# Altium PCB LED_12T-V2.0拼.PcbDoc (part 1 of 3)
Units mm, origin at the board's own origin, x right, y up, seen from the top; angles counter-clockwise.
Board outline 152.4 x 101.6 mm, 2 copper layers (Top Layer, Bottom Layer); 148 components, 0 nets, 404 pads, 276 vias.
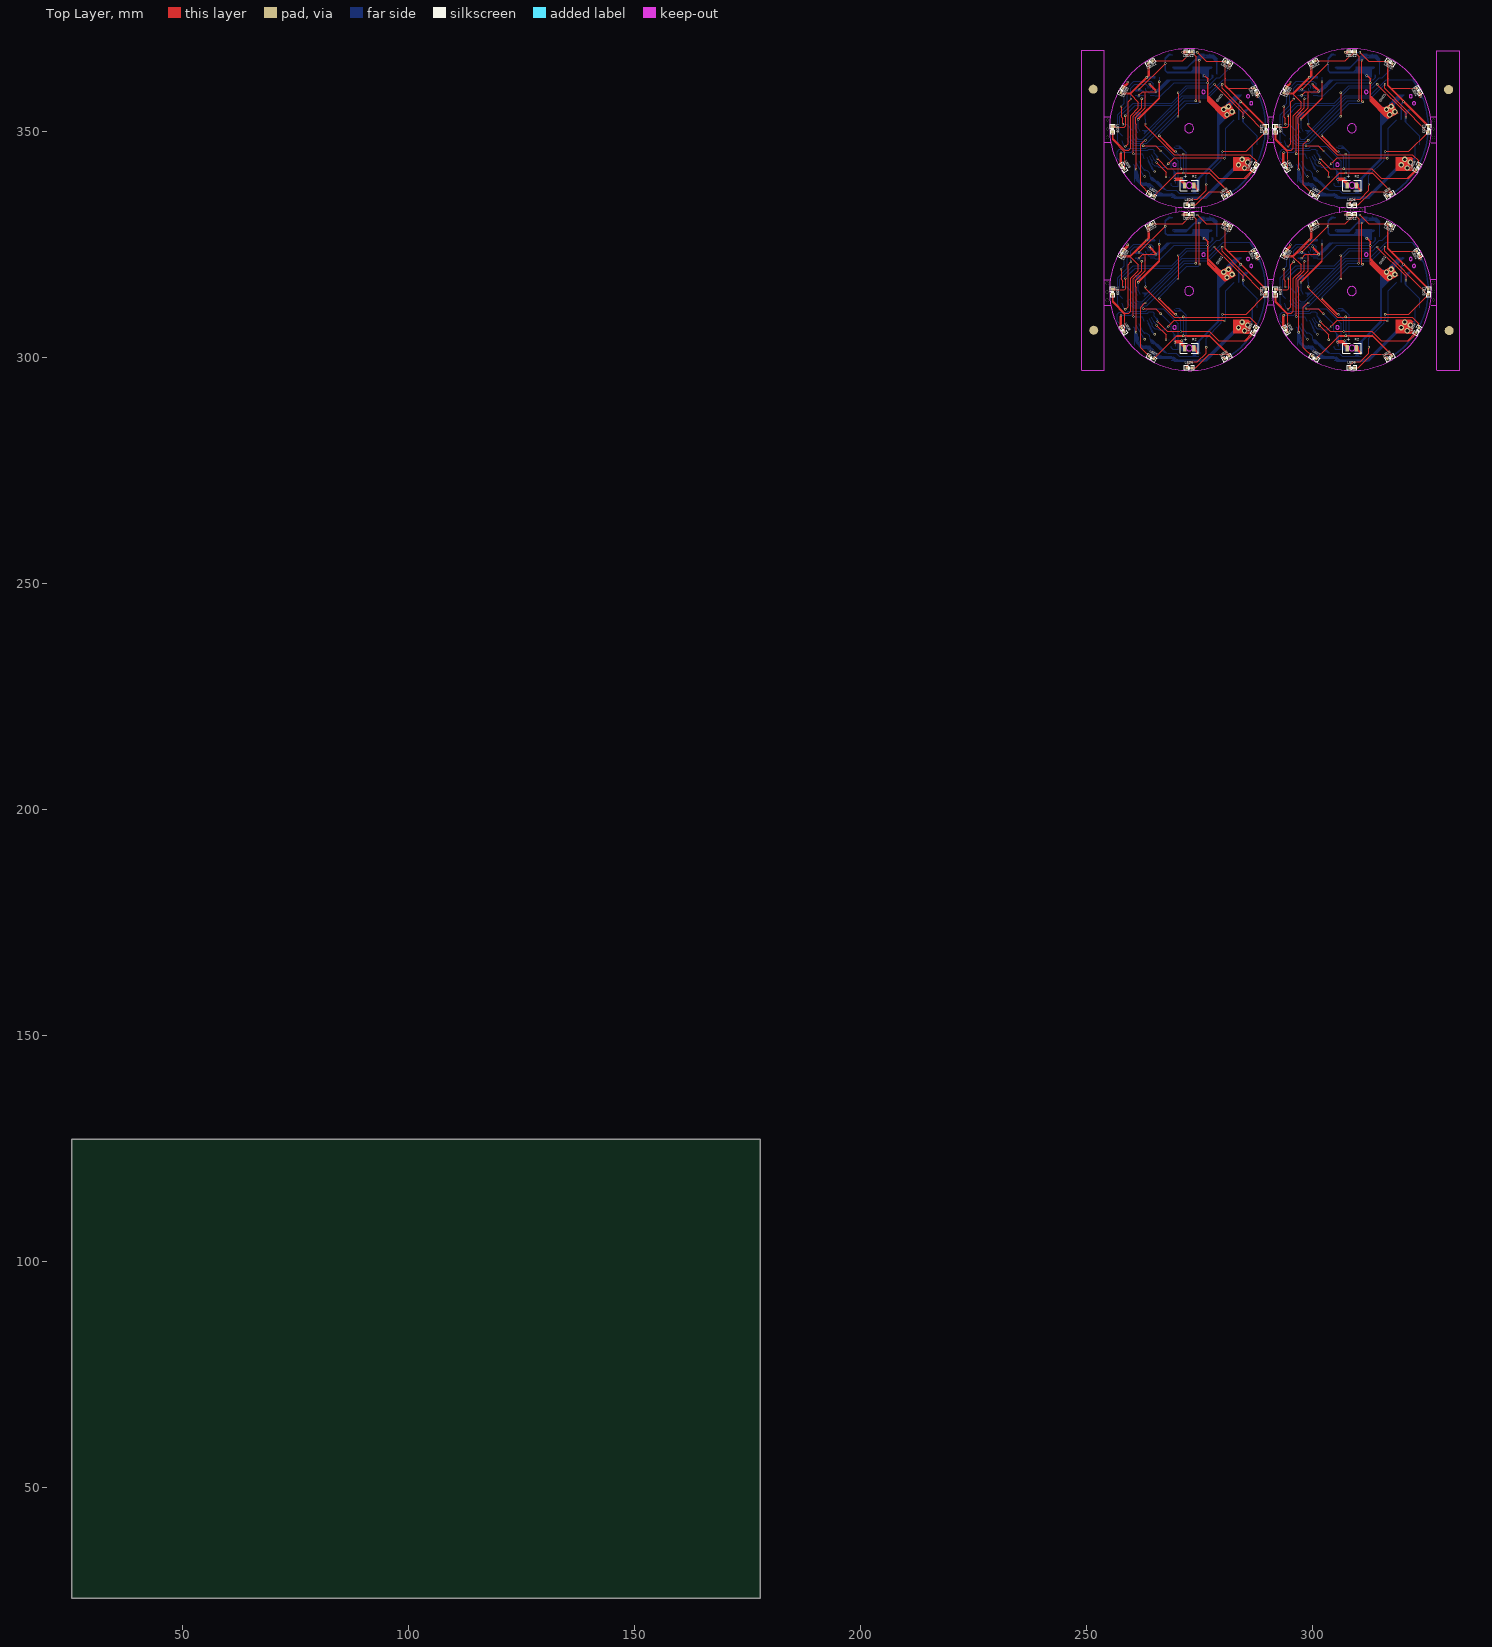
[diagram p0: Top Layer view]
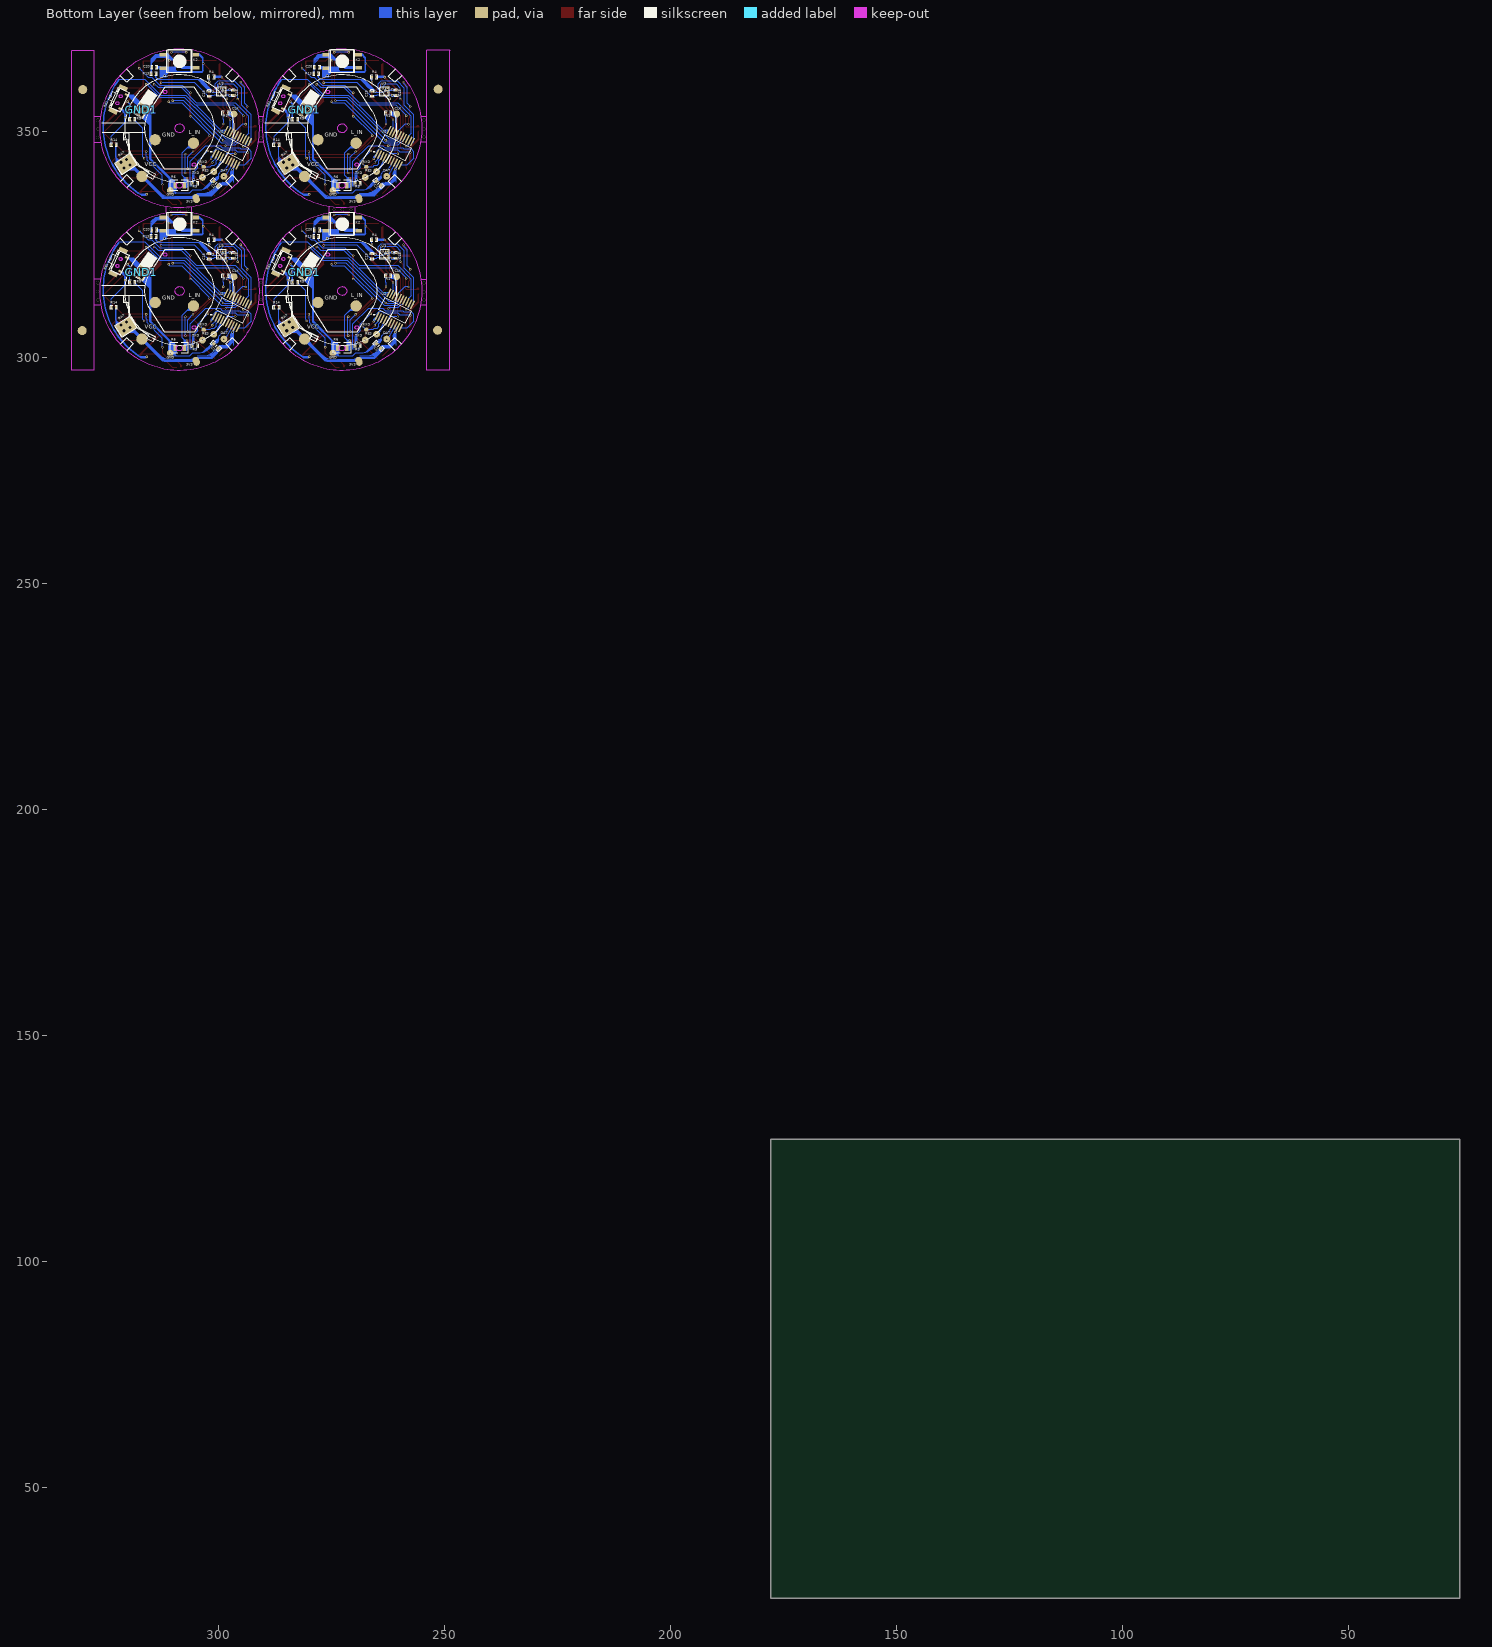
[diagram p1: Bottom Layer view, seen from below]

## Layer stack, top to bottom
Top Layer: signal copper 0.0356
Dielectric: dielectric 0.32, FR-4, Dk 4.8
Bottom Layer: signal copper 0.0356

## Board outline
25.4,25.4 177.8,25.4 177.8,127 25.4,127

## Design rules (kind name [scope] priority, off if disabled: settings)
Clearance [All] p1: gap=0.254
PolygonConnect [All] p1: connectstyle=Relief reliefconductorwidth=0.254 reliefentries=4 polygonreliefangle="90 Angle"
RoutingVias [All] p1: holewidth=0.711 width=1.27 viastyle="Through Hole" minholewidth=0.711 minwidth=1.27 maxholewidth=0.711 maxwidth=1.27
SilkscreenOverComponentPads [All] p1: minsilkscreentomaskgap=0.254
SolderMaskExpansion [All] p1: expansion=0.102
Width [All] p1: maxlimit=0.254 minlimit=0.254 preferedwidth=0.254
27 further rules are at their usual default settings.

## Components (designator, comment, footprint, x,y, rotation, side; value= is the part's Value field where it differs from the comment)
3V3 "测试点" 测试点#1 269.001,335.068 r315 bottom
3V3 "测试点" 测试点#1 305.001,335.068 r315 bottom
3V3 "测试点" 测试点#1 269.001,299.068 r315 bottom
3V3 "测试点" 测试点#1 305.001,299.068 r315 bottom
BAT "+" CR2450_Z 284.45,343.144 r237.5 bottom
BAT "+" CR2450_Z 320.45,343.144 r237.5 bottom
BAT "+" CR2450_Z 284.45,307.144 r237.5 bottom
BAT "+" CR2450_Z 320.45,307.144 r237.5 bottom
C1 "104" 0603P 264.6,338.491 r225 bottom
C1 "104" 0603P 300.6,338.491 r225 bottom
C1 "104" 0603P 264.6,302.491 r225 bottom
C1 "104" 0603P 300.6,302.491 r225 bottom
C18 "104" 0402_C 260.711,358.51 r90 bottom
C18 "104" 0402_C 296.711,358.51 r90 bottom
C18 "104" 0402_C 260.711,322.51 r90 bottom
C18 "104" 0402_C 296.711,322.51 r90 bottom
C19 "104" 0402_C 266.072,358.303 r270 bottom
C19 "104" 0402_C 302.072,358.303 r270 bottom
C19 "104" 0402_C 266.072,322.303 r270 bottom
C19 "104" 0402_C 302.072,322.303 r270 bottom
C20 "104" 0402_R 278.312,364.103 r0 bottom (schematic designator R13)
C20 "104" 0402_R 314.312,364.103 r0 bottom (schematic designator R13)
C20 "104" 0402_R 278.312,328.103 r0 bottom (schematic designator R13)
C20 "104" 0402_R 314.312,328.103 r0 bottom (schematic designator R13)
CLK "测试点" 测试点#2 260.543,353.823 r180 bottom
CLK "测试点" 测试点#2 296.543,353.823 r180 bottom
CLK "测试点" 测试点#2 260.543,317.823 r180 bottom
CLK "测试点" 测试点#2 296.543,317.823 r180 bottom
DAT "测试点" 测试点#2 262.772,340.033 r180 bottom
DAT "测试点" 测试点#2 298.772,340.033 r180 bottom
DAT "测试点" 测试点#2 262.772,304.033 r180 bottom
DAT "测试点" 测试点#2 298.772,304.033 r180 bottom
GND "GND" 测试点#2 274.658,336.903 r180 bottom
GND "GND" 测试点#2 310.658,336.903 r180 bottom
GND "GND" 测试点#2 274.658,300.903 r180 bottom
GND "GND" 测试点#2 310.658,300.903 r180 bottom
GND1 "测试点" 测试点#3 281.115,354.809 r55 top
GND1 "测试点" 测试点#3 317.115,354.809 r55 top
GND1 "测试点" 测试点#3 281.115,318.809 r55 top
GND1 "测试点" 测试点#3 317.115,318.809 r55 top
K2 "SW-02" 四向滚珠开关 272.667,365.461 r0 bottom
K2 "SW-02" 四向滚珠开关 308.667,365.461 r0 bottom
K2 "SW-02" 四向滚珠开关 272.667,329.461 r0 bottom
K2 "SW-02" 四向滚珠开关 308.667,329.461 r0 bottom
LED1 "LED" 0402_LED 281.168,365.228 r330 top
LED1 "LED" 0402_LED 317.168,365.228 r330 top
LED1 "LED" 0402_LED 281.168,329.228 r330 top
LED1 "LED" 0402_LED 317.168,329.228 r330 top
LED2 "LED" 0402_LED 287.328,359.012 r300 top
LED2 "LED" 0402_LED 323.328,359.012 r300 top
LED2 "LED" 0402_LED 287.328,323.012 r300 top
LED2 "LED" 0402_LED 323.328,323.012 r300 top
LED3 "LED" 0402_LED 289.572,350.478 r270 top
LED3 "LED" 0402_LED 325.572,350.478 r270 top
LED3 "LED" 0402_LED 289.572,314.478 r270 top
LED3 "LED" 0402_LED 325.572,314.478 r270 top
LED4 "LED" 0402_LED 287.155,342.003 r240 top
LED4 "LED" 0402_LED 323.155,342.003 r240 top
LED4 "LED" 0402_LED 287.155,306.003 r240 top
LED4 "LED" 0402_LED 323.155,306.003 r240 top
LED5 "LED" 0402_LED 280.98,335.935 r210 top
LED5 "LED" 0402_LED 316.98,335.935 r210 top
LED5 "LED" 0402_LED 280.98,299.935 r210 top
LED5 "LED" 0402_LED 316.98,299.935 r210 top
LED6 "LED" 0402_LED 272.691,333.726 r180 top
LED6 "LED" 0402_LED 308.691,333.726 r180 top
LED6 "LED" 0402_LED 272.691,297.726 r180 top
LED6 "LED" 0402_LED 308.691,297.726 r180 top
LED7 "LED" 0402_LED 264.311,335.939 r150 top
LED7 "LED" 0402_LED 300.311,335.939 r150 top
LED7 "LED" 0402_LED 264.311,299.939 r150 top
LED7 "LED" 0402_LED 300.311,299.939 r150 top
LED8 "LED" 0402_LED 258.063,342.069 r120 top
LED8 "LED" 0402_LED 294.063,342.069 r120 top
LED8 "LED" 0402_LED 258.063,306.069 r120 top
LED8 "LED" 0402_LED 294.063,306.069 r120 top
LED9 "LED" 0402_LED 255.716,350.524 r90 top
LED9 "LED" 0402_LED 291.716,350.524 r90 top
LED9 "LED" 0402_LED 255.716,314.524 r90 top
LED9 "LED" 0402_LED 291.716,314.524 r90 top
LED10 "LED" 0402_LED 257.87,359.029 r60 top
LED10 "LED" 0402_LED 293.87,359.029 r60 top
LED10 "LED" 0402_LED 257.87,323.029 r60 top
LED10 "LED" 0402_LED 293.87,323.029 r60 top
LED11 "LED" 0402_LED 264.112,365.271 r30 top
LED11 "LED" 0402_LED 300.112,365.271 r30 top
LED11 "LED" 0402_LED 264.112,329.271 r30 top
LED11 "LED" 0402_LED 300.112,329.271 r30 top
LED12 "LED" 0402_LED 272.71,367.545 r0 top (schematic designator LED11)
LED12 "LED" 0402_LED 308.71,367.545 r0 top (schematic designator LED11)
LED12 "LED" 0402_LED 272.71,331.545 r0 top (schematic designator LED11)
LED12 "LED" 0402_LED 308.71,331.545 r0 top (schematic designator LED11)
R1 "1K" 0402_R 262.42,353.981 r180 bottom
R1 "1K" 0402_R 298.42,353.981 r180 bottom
R1 "1K" 0402_R 262.42,317.981 r180 bottom
R1 "1K" 0402_R 298.42,317.981 r180 bottom
R2 "1K" 0805_R 271.736,338.007 r0 top
R2 "1K" 0805_R 307.736,338.007 r0 top
R2 "1K" 0805_R 271.736,302.007 r0 top
R2 "1K" 0805_R 307.736,302.007 r0 top
R3 "100K" 0402_R 269.299,338.477 r0 bottom
R3 "100K" 0402_R 305.299,338.477 r0 bottom
R3 "100K" 0402_R 269.299,302.477 r0 bottom
R3 "100K" 0402_R 305.299,302.477 r0 bottom
R4 "1K" 0402_R 265.651,361.97 r0 bottom
R4 "1K" 0402_R 301.651,361.97 r0 bottom
R4 "1K" 0402_R 265.651,325.97 r0 bottom
R4 "1K" 0402_R 301.651,325.97 r0 bottom
R5 "1K" 0402_R 283.052,352.569 r180 bottom
R5 "1K" 0402_R 319.052,352.569 r180 bottom
R5 "1K" 0402_R 283.052,316.569 r180 bottom
R5 "1K" 0402_R 319.052,316.569 r180 bottom
R6 "1K" 0805_R 271.716,338.013 r0 bottom (schematic designator R2)
R6 "1K" 0805_R 307.716,338.013 r0 bottom (schematic designator R2)
R6 "1K" 0805_R 271.716,302.013 r0 bottom (schematic designator R2)
R6 "1K" 0805_R 307.716,302.013 r0 bottom (schematic designator R2)
R13 "1M" 0402_R 278.44,362.682 r0 bottom
R13 "1M" 0402_R 314.44,362.682 r0 bottom
R13 "1M" 0402_R 278.44,326.682 r0 bottom
R13 "1M" 0402_R 314.44,326.682 r0 bottom
R14 "1M" 0402_R 287.15,346.977 r180 bottom
R14 "1M" 0402_R 323.15,346.977 r180 bottom
R14 "1M" 0402_R 287.15,310.977 r180 bottom
R14 "1M" 0402_R 323.15,310.977 r180 bottom
RE1 "KEY_M" "轻触开关 2x4" 285.93,356.92 r115 bottom
RE1 "KEY_M" "轻触开关 2x4" 321.93,356.92 r115 bottom
RE1 "KEY_M" "轻触开关 2x4" 285.93,320.92 r115 bottom
RE1 "KEY_M" "轻触开关 2x4" 321.93,320.92 r115 bottom
RES "测试点" 测试点#2 265.011,341.089 r180 bottom (schematic designator RESET)
RES "测试点" 测试点#2 301.011,341.089 r180 bottom (schematic designator RESET)
RES "测试点" 测试点#2 265.011,305.089 r180 bottom (schematic designator RESET)
RES "测试点" 测试点#2 301.011,305.089 r180 bottom (schematic designator RESET)
RXD "测试点" 测试点#4 267.26,342.077 r180 bottom
RXD "测试点" 测试点#4 303.26,342.077 r180 bottom
RXD "测试点" 测试点#4 267.26,306.077 r180 bottom
RXD "测试点" 测试点#4 303.26,306.077 r180 bottom
TXD "测试点" 测试点#2 267.529,339.797 r180 bottom
TXD "测试点" 测试点#2 303.529,339.797 r180 bottom
TXD "测试点" 测试点#2 267.529,303.797 r180 bottom
TXD "测试点" 测试点#2 303.529,303.797 r180 bottom
U2 "N76E003" STSOP20 260.666,346.559 r297 bottom
U2 "N76E003" STSOP20 296.666,346.559 r297 bottom
U2 "N76E003" STSOP20 260.666,310.559 r297 bottom
U2 "N76E003" STSOP20 296.666,310.559 r297 bottom
U3 "SC7A21" LGA-12-2*2*1 263.324,358.796 r180 bottom
U3 "SC7A21" LGA-12-2*2*1 299.324,358.796 r180 bottom
U3 "SC7A21" LGA-12-2*2*1 263.324,322.796 r180 bottom
U3 "SC7A21" LGA-12-2*2*1 299.324,322.796 r180 bottom

## Footprints (in the part's own frame and the unit in brackets; to place one, negate y for a bottom-side part, rotate by r counter-clockwise, add the part's x,y. Pads: shape width x height; smd on the part's side, far side on the other; paste and mask are expansions set on the pad)
0402_C [mm]
  rect 0.4x0.6 smd: 1(-0.518,-0.008) 2(0.485,-0.01)
  silkscreen extent -0.84,-0.41 0.8,0.39
0402_LED [mm]
  rect 0.6x0.6 smd: 1(-0.568,0.013) 2(0.532,0.013)
  silkscreen extent -1.1,-0.51 1.07,0.54
0402_R [mm]
  rect 0.4x0.6 smd: 1(-0.558,0.013) 2(0.435,0.013)
  silkscreen extent -0.86,-0.4 0.75,0.42
0603P [mil]
  rect 30x30 smd: 1(-27,0) 2(27.5,-0.06)
  silkscreen extent -50,-20 50,20
0805_R [mm]
  rect 0.8x1.35 smd: 1(-0.076,0) 2(1.9,0)
  silkscreen extent -1.05,-1.15 2.95,1.15
CR2450_Z [mm]
  rect 3x4 smd paste+0: 1(0.288,-0.213)
  silkscreen extent -5.69,-2.27 6.31,4.04
LGA-12-2*2*1 [mm]
  rect 0.32x0.32 smd: 1(-0.757,0.702) 2(-0.76,0.19) 3(-0.758,-0.308) 4(-0.751,-0.826) 5(-0.253,-0.826) 6(0.25,-0.82) 7(0.748,-0.826) 8(0.75,-0.314) 9(0.748,0.19) 10(0.748,0.699) 11(0.25,0.696) 12(-0.251,0.699)
  silkscreen extent -1.04,-1.07 1.04,0.97
STSOP20 [mm]
  oval 2x0.35 smd: 1(3.241,-3.17) 2(3.241,-2.52) 3(3.241,-1.87) 4(3.241,-1.22) 5(3.241,-0.57) 6(3.241,0.08) 7(3.241,0.73) 8(3.241,1.38) 9(3.241,2.03) 10(3.241,2.68) 11(-2.559,2.68) 12(-2.559,2.03) 13(-2.559,1.38) 14(-2.559,0.73) 15(-2.559,0.08) 16(-2.559,-0.57) 17(-2.559,-1.22) 18(-2.559,-1.87) 19(-2.559,-2.52) 20(-2.559,-3.17)
  silkscreen extent -1.16,-4.02 3.37,3.06
四向滚珠开关 [mm]
  rect 1.5x0.8 smd: 1(-3.629,-1.47) 2(3.651,-1.454) 3(3.635,1.493) 4(-3.645,1.435)
  silkscreen extent -2.81,-2.52 2.81,2.49
测试点#1 [mm]
  oval 1.5x2 smd rot 150: 1(-0.051,0)
测试点#2 [mm]
  round 1.5 smd: 1(-0.051,0)
测试点#3 [mm]
  rect 2.5x3 smd far side rot 157: 1(-0.051,0)
测试点#4 [mm]
  round 1 smd: 1(-0.051,0)
"轻触开关 2x4" [mm]
  rect 0.5x1 smd: 1(-1.66,-1.025) 2(1.723,-1.025)
  Keep-Out Layer circle w0.1: c0.851,0.124 r0.35
  Keep-Out Layer circle w0.1: c-0.849,0.119 r0.35
  silkscreen extent -2.34,-1.22 2.37,2.25

## Part data
C18 C18 C18 C18 C19 C19 C19 C19: library part Cap, "Capac"

## Free pads (board coordinates)
  round 2.5 smd far side: 1(269.571,311.369) 1(269.571,347.369) 1(278.035,312.127) 1(278.035,348.127) 1(280.978,304.019) 1(280.978,340.019) 1(305.571,311.369) 1(305.571,347.369) 1(314.035,312.127) 1(314.035,348.127) 1(316.978,304.019) 1(316.978,340.019)
  rect 1x2 smd far side rot 115: 1(285.137,323.63) 1(285.137,359.63) 1(287.357,318.498) 1(287.357,354.498) 1(321.137,323.63) 1(321.137,359.63) 1(323.357,318.498) 1(323.357,354.498)
  round 2 all layers, no hole: 2(251.433,359.306) 2(330.063,359.225) 3(251.554,305.979) 3(330.184,305.898)

## Via types
v1: diameter 0.5, hole 0.3, Top Layer to Bottom Layer, 220 vias
v2: diameter 1.2, hole 0.7, Top Layer to Bottom Layer, 32 vias
v3: diameter 0.7, hole 0.7, Top Layer to Bottom Layer, 24 vias

## Nets (pads, with @x,y where several pads share a name; then routed paths per layer and width w, separated by ;. In a path a pad name is that pad's centre, name@x,y a point inside that pad or via, vN(x,y) a via of type N, cw(c..) or ccw(c..) an arc to the next point about the centre after c; other vN are vias at no path point)
pads on no net: 3V3.1 BAT.1 C1.1 C1.2 C18.1 C18.2 C19.1 C19.2 C20.1 C20.2 CLK.1 DAT.1 GND1.1 GND.1 K2.1 K2.2 K2.3 K2.4 LED1.1 LED1.2 LED2.1 LED2.2 LED3.1 LED3.2 LED4.1 LED4.2 LED5.1 LED5.2 LED6.1 LED6.2 LED7.1 LED7.2 LED8.1 LED8.2 LED9.1 LED9.2 LED10.1 LED10.2 LED11.1 LED11.2 LED12.1 LED12.2 R1.1 R1.2 R2.1 R2.2 R3.1 R3.2 R4.1 R4.2 R5.1 R5.2 R6.1 R6.2 R13.1 R13.2 R14.1 R14.2 RE1.1 RE1.2 RES.1 RXD.1 TXD.1 U2.1 U2.2 U2.3 U2.4 U2.5 U2.6 U2.7 U2.8 U2.9 U2.10 U2.11 U2.12 U2.13 U2.14 U2.15 U2.16 U2.17 U2.18 U2.19 U2.20 U3.1 U3.2 U3.3 U3.4 U3.5 U3.6 U3.7 U3.8 U3.9 U3.10 U3.11 U3.12
copper on no net: | length 5319.1
  Top Layer w0.2: v1@265.395,307.127 265.433,307.127 267.589,304.97 v1@267.589,303.798 ; v1@265.395,343.127 265.433,343.127 267.589,340.97 v1@267.589,339.798 ; v1@301.395,307.127 301.433,307.127 303.589,304.97 v1@303.589,303.798 ; v1@301.395,343.127 301.433,343.127 303.589,340.97 v1@303.589,339.798
  Top Layer w0.25: 255.689,314.136 255.689,314.109 255.885,313.913 255.885,312.286 256.244,311.926 ; 255.689,350.136 255.689,350.109 255.885,349.913 255.885,348.286 256.244,347.926 ; 255.703,313.956 255.703,312.5 ; 255.703,349.956 255.703,348.5 ; 255.704,314.97 255.769,314.905 258.345,314.905 258.649,315.21 258.649,315.372 ; 255.704,350.97 255.769,350.905 258.345,350.905 258.649,351.21 258.649,351.372 ; 255.713,315.24 255.735,315.218 256.07,315.218 256.307,314.981 ; 255.713,351.24 255.735,351.218 256.07,351.218 256.307,350.981 ; 255.779,315.002 255.769,315.148 256.019,315.263 ; 255.779,351.002 255.769,351.148 256.019,351.263 ; 255.859,315.056 255.875,315.04 256.134,315.04 ; 255.859,351.056 255.875,351.04 256.134,351.04 ; 257.558,306.879 257.558,309.24 v1@257.571,309.253 ; 257.558,342.879 257.558,345.24 v1@257.571,345.253 ; v1(257.572,309.31) 257.387,309.125 257.387,306.922 257.786,306.523 ; v1(257.572,345.31) 257.387,345.125 257.387,342.922 257.786,342.523 ; 257.575,322.543 257.601,322.569 258.817,322.569 ; 257.575,358.543 257.601,358.569 258.817,358.569 ; v1(257.588,319.501) 257.727,319.363 257.727,317.102 257.969,316.859 v1@257.969,315.546 ; v1(257.588,355.501) 257.727,355.363 257.727,353.102 257.969,352.859 v1@257.969,351.546 ; 257.642,322.288 259.598,322.288 261.417,320.469 261.417,319.175 259.706,317.464 259.706,310.225 259.274,309.793 258.41,309.793 255.703,312.5 ; 257.642,358.288 259.598,358.288 261.417,356.469 261.417,355.175 259.706,353.464 259.706,346.225 259.274,345.793 258.41,345.793 255.703,348.5 ; 257.662,322.436 257.797,322.571 259.733,322.571 260.488,323.325 ; 257.662,358.436 257.797,358.571 259.733,358.571 260.488,359.325 ; v1@257.709,309.258 257.709,306.785 257.919,306.575 257.919,306.562 ; v1@257.709,345.258 257.709,342.785 257.919,342.575 257.919,342.562 ; 257.805,322.419 259.899,322.419 260.78,323.3 ; 257.805,358.419 259.899,358.419 260.78,359.3 ; 258.124,323.788 258.124,323.798 v1@259.01,324.684 ; 258.124,359.788 258.124,359.798 v1@259.01,360.684 ; 258.207,323.506 258.228,323.506 259.187,324.465 v1@259.187,324.871 ; 258.207,359.506 258.228,359.506 259.187,360.465 v1@259.187,360.871 ; 258.218,323.756 258.28,323.756 259.072,324.548 ; 258.218,359.756 258.28,359.756 259.072,360.548 ; 258.336,305.57 258.336,305.907 258.436,305.907 258.436,309.412 255.703,312.145 255.703,312.5 ; 258.336,341.57 258.336,341.907 258.436,341.907 258.436,345.412 255.703,348.145 255.703,348.5 ; 258.343,323.579 258.343,324.142 v1(259.093,324.892) ; 258.343,359.579 258.343,360.142 v1(259.093,360.892) ; v1(258.508,317.447) 258.642,317.312 258.642,315.242 ; v1(258.508,353.447) 258.642,353.312 258.642,351.242 ; v1(258.537,310.606) 259.164,311.232 259.164,320.503 v1(259.782,321.121) ; v1(258.537,346.606) 259.164,347.232 259.164,356.503 v1(259.782,357.121) ; v1(260.341,309.006) 260.341,317.362 262.159,319.181 v1(262.159,321.223) ; v1(260.341,345.006) 260.341,353.362 262.159,355.181 v1(262.159,357.223) ; 260.387,323.222 263.613,326.449 263.613,328.998 ; 260.387,359.222 263.613,362.449 263.613,364.998 ; 260.637,323.137 263.895,326.395 263.895,328.811 ; 260.637,359.137 263.895,362.395 263.895,364.811 ; v1(260.925,305.526) 260.925,315.529 260.833,315.622 260.833,317.056 262.966,319.19 262.966,322.683 ; v1(260.925,341.526) 260.925,351.529 260.833,351.622 260.833,353.056 262.966,355.19 262.966,358.683 ; v1@261.34,316.716 266.065,321.442 v1(266.065,324.983) ; v1@261.34,352.716 266.065,357.442 v1(266.065,360.983) ; v1@261.405,316.605 261.454,316.605 266.118,321.268 v1@266.118,324.959 ; v1@261.405,352.605 261.454,352.605 266.118,357.268 v1@266.118,360.959 ; v1(261.56,323.223) v1@267.324,328.988 ; v1(261.56,359.223) v1@267.324,364.988 ; v1@261.641,321.976 261.641,322.054 262.375,322.787 v1@265.35,322.787 ; v1@261.641,357.976 261.641,358.054 262.375,358.787 v1@265.35,358.787 ; v1(262.5,310.784) 265.218,310.784 v1(266.361,309.641) ; v1(262.5,346.784) 265.218,346.784 v1(266.361,345.641) ; v1@262.881,312.044 261.916,311.079 261.916,302.123 263.844,300.194 ; v1@262.881,348.044 261.916,347.079 261.916,338.123 263.844,336.194 ; v1(262.982,315.61) 262.982,315.238 265.174,313.046 265.175,313.046 269.394,308.828 286.046,308.828 287.451,307.423 287.451,306.488 ; v1(262.982,351.61) 262.982,351.238 265.174,349.046 265.175,349.046 269.394,344.828 286.046,344.828 287.451,343.423 287.451,342.488 ; 263.744,326.344 263.744,328.711 263.845,328.811 ; 263.744,362.344 263.744,364.711 263.845,364.811 ; v1@263.881,324.309 265.311,322.879 v1@265.311,322.807 ; v1@263.881,360.309 265.311,358.879 v1@265.311,358.807 ; v1@264.004,324.451 265.285,323.17 v1@265.285,322.853 ; v1@264.004,360.451 265.285,359.17 v1@265.285,358.853 ; 264.151,323.992 v1(265.322,322.821) ; 264.151,359.992 v1(265.322,358.821) ; 264.566,329.548 271.231,329.548 273.242,331.558 274.26,330.541 v1@274.26,320.711 ; 264.566,365.548 271.231,365.548 273.242,367.558 274.26,366.541 v1@274.26,356.711 ; 264.797,299.644 270.029,304.876 277.153,304.876 281.516,300.513 281.516,300.437 ; 264.797,335.644 270.029,340.876 277.153,340.876 281.516,336.513 281.516,336.437 ; v1(265.675,307.888) 265.675,307.868 267.828,305.715 277.058,305.715 279.156,303.617 285.257,303.617 286.852,305.212 ; v1(265.675,343.888) 265.675,343.868 267.828,341.715 277.058,341.715 279.156,339.617 285.257,339.617 286.852,341.212 ; v1@265.794,313.065 269.35,309.508 v1(269.683,309.508) ; v1@265.794,349.065 269.35,345.508 v1(269.683,345.508) ; v1@266.082,313 269.564,309.519 v1@269.678,309.519 ; v1@266.082,349 269.564,345.519 v1@269.678,345.519 ; v1(268.062,306.828) 269.401,308.167 v1@280.537,308.167 ; v1(268.062,342.828) 269.401,344.167 v1@280.537,344.167 ; v1@269.442,303.445 269.746,303.748 270.842,303.748 270.94,303.651 270.896,303.651 270.69,303.445 v1@269.529,303.445 ; v1@269.442,339.445 269.746,339.748 270.842,339.748 270.94,339.651 270.896,339.651 270.69,339.445 v1@269.529,339.445 ; v1(269.506,303.339) 270.861,303.339 271.467,302.733 ; v1(269.506,339.339) 270.861,339.339 271.467,338.733 ; v1@269.525,303.216 270.737,303.216 271.458,302.496 ; v1@269.525,339.216 270.737,339.216 271.458,338.496 ; v1@269.582,303.225 270.463,303.225 271.458,302.23 271.458,302.069 ; v1@269.582,339.225 270.463,339.225 271.458,338.23 271.458,338.069 ; 269.713,303.607 270.994,303.607 v1@271.016,303.586 ; 269.713,339.607 270.994,339.607 v1@271.016,339.586 ; 269.93,304.682 277.229,304.682 281.566,300.345 ; 269.93,340.682 277.229,340.682 281.566,336.345 ; v1@270.236,322.62 v1@270.238,317.261 ; v1@270.236,358.62 v1@270.238,353.261 ; v1@270.343,317.296 v1@270.343,322.62 ; v1@270.343,353.296 v1@270.343,358.62 ; v1@270.813,303.633 270.851,303.595 270.851,303.168 ; v1@270.813,339.633 270.851,339.595 270.851,339.168 ; v1(271.012,303.652) 271.05,303.614 271.05,303.064 ; v1(271.012,339.652) 271.05,339.614 271.05,339.064 ; v1@271.085,331.624 271.192,331.732 272.071,331.732 272.119,331.683 272.119,331.669 ; v1@271.085,367.624 271.192,367.732 272.071,367.732 272.119,367.683 272.119,367.669 ; v1@271.126,303.652 271.126,303.244 271.486,302.884 271.533,302.884 ; v1@271.126,339.652 271.126,339.244 271.486,338.884 271.533,338.884 ; v1@271.182,331.445 271.234,331.393 272.084,331.393 272.102,331.41 272.102,331.424 ; v1@271.182,367.445 271.234,367.393 272.084,367.393 272.102,367.41 272.102,367.424 ; v1(271.187,331.485) 271.26,331.558 272.142,331.558 ; v1(271.187,367.485) 271.26,367.558 272.142,367.558 ; 271.999,298.001 272.997,299 274.468,299 276.396,300.928 v1@276.396,302.245 ; 271.999,334.001 272.997,335 274.468,335 276.396,336.928 v1@276.396,338.245 ; 272.141,297.905 272.141,297.964 272.221,298.044 ; 272.141,333.905 272.141,333.964 272.221,334.044 ; 272.234,297.756 272.234,297.753 272.333,297.852 272.333,298.252 272.365,298.285 ; 272.234,333.756 272.234,333.753 272.333,333.852 272.333,334.252 272.365,334.285 ; 273.26,297.713 274.11,297.713 277.067,300.67 281.017,300.67 281.479,300.208 ; 273.26,333.713 274.11,333.713 277.067,336.67 281.017,336.67 281.479,336.208 ; 273.739,302.055 273.739,302.283 ; 273.739,338.055 273.739,338.283 ; 273.75,302.11 273.75,301.947 v1@274.727,300.97 ; 273.75,338.11 273.75,337.947 v1@274.727,336.97 ; 273.761,302.045 273.761,301.697 v1@274.608,300.851 ; 273.761,338.045 273.761,337.697 v1@274.608,336.851 ; v1(274.438,331.485) 276.399,329.524 280.683,329.524 280.683,325.135 ; v1(274.438,367.485) 276.399,365.524 280.683,365.524 280.683,361.135 ; v1@274.895,320.508 v1(274.895,329.707) ; v1@274.895,356.508 v1(274.895,365.707) ; v1(275.962,326.354) 276.724,325.592 276.724,320.6 279.979,317.345 v2@281.055,317.345 ; v1(275.962,362.354) 276.724,361.592 276.724,356.6 279.979,353.345 v2@281.055,353.345 ; v1@276.032,326.421 276.86,325.593 276.86,321.416 279.981,318.295 281.382,318.295 ; v1@276.032,362.421 276.86,361.593 276.86,357.416 279.981,354.295 281.382,354.295 ; 276.784,321.161 280.541,317.404 v2@280.86,317.404 ; 276.784,357.161 280.541,353.404 v2@280.86,353.404 ; v1@278.216,324.379 284.649,317.946 v1(284.649,317.032) ; v1@278.216,360.379 284.649,353.946 v1(284.649,353.032) ; 279.035,319.307 279.054,319.287 v2@281.188,319.287 ; 279.035,355.307 279.054,355.287 v2@281.188,355.287 ; 279.083,318.429 279.97,317.542 279.97,317.385 280.475,316.881 280.736,316.881 ; 279.083,354.429 279.97,353.542 279.97,353.385 280.475,352.881 280.736,352.881 ; v1(279.924,300.09) 280.094,300.09 280.526,299.658 ; v1(279.924,336.09) 280.094,336.09 280.526,335.658 ; v1@279.968,324.316 279.956,323.508 288.636,314.568 289.258,313.946 289.585,313.946 ; v1@279.968,360.316 279.956,359.508 288.636,350.568 289.258,349.946 289.585,349.946 ; v1@280.064,309.552 285.262,309.552 289.54,313.83 ; v1@280.064,345.552 285.262,345.552 289.54,349.83 ; 280.579,329.396 280.612,329.363 280.612,324.052 284.049,320.615 v1@284.049,320.513 ; 280.579,365.396 280.612,365.363 280.612,360.052 284.049,356.615 v1@284.049,356.513 ; 280.625,325.719 280.683,325.661 280.683,323.973 281.488,323.168 ; 280.625,361.719 280.683,361.661 280.683,359.973 281.488,359.168 ; 280.693,329.281 280.693,324.147 289.648,315.192 289.648,315.179 ; 280.693,365.281 280.693,360.147 289.648,351.192 289.648,351.179 ; v2(281.031,317.671) 281.031,319.127 v2(281.35,319.446) 282.168,318.628 v2(282.168,318.323) ; v2(281.031,353.671) 281.031,355.127 v2(281.35,355.446) 282.168,354.628 v2(282.168,354.323) ; 281.138,323.511 287.056,323.511 ; 281.138,359.511 287.056,359.511 ; v1@281.583,327.852 281.583,328.952 ; v1@281.583,363.852 281.583,364.952 ; v1(284.079,320.552) 289.585,315.046 ; v1(284.079,356.552) 289.585,351.046 ; v2@284.585,305.73 284.585,305.704 284.953,305.336 285.805,305.336 286.128,305.659 286.128,307.874 285.787,308.215 ; v2@284.585,341.73 284.585,341.704 284.953,341.336 285.805,341.336 286.128,341.659 286.128,343.874 285.787,344.215 ; 284.862,303.593 286.769,305.5 ; 284.862,339.593 286.769,341.5 ; 285.957,305.551 285.957,307.955 ; 285.957,341.551 285.957,343.955 ; 287.606,322.558 287.606,322.051 ; 287.606,358.558 287.606,358.051 ; v1@287.773,321.883 287.606,322.051 ; v1@287.773,357.883 287.606,358.051 ; 287.78,321.428 287.78,321.891 287.606,322.051 ; 287.78,357.428 287.78,357.891 287.606,358.051 ; 291.689,314.136 291.689,314.109 291.885,313.913 291.885,312.286 292.244,311.926 ; 291.689,350.136 291.689,350.109 291.885,349.913 291.885,348.286 292.244,347.926 ; 291.703,313.956 291.703,312.5 ; 291.703,349.956 291.703,348.5 ; 291.704,314.97 291.769,314.905 294.345,314.905 294.649,315.21 294.649,315.372 ; 291.704,350.97 291.769,350.905 294.345,350.905 294.649,351.21 294.649,351.372 ; 291.713,315.24 291.735,315.218 292.07,315.218 292.307,314.981 ; 291.713,351.24 291.735,351.218 292.07,351.218 292.307,350.981 ; 291.779,315.002 291.769,315.148 292.019,315.263 ; 291.779,351.002 291.769,351.148 292.019,351.263 ; 291.859,315.056 291.875,315.04 292.134,315.04 ; 291.859,351.056 291.875,351.04 292.134,351.04 ; 293.558,306.879 293.558,309.24 v1@293.571,309.253 ; 293.558,342.879 293.558,345.24 v1@293.571,345.253 ; v1(293.572,309.31) 293.387,309.125 293.387,306.922 293.786,306.523 ; v1(293.572,345.31) 293.387,345.125 293.387,342.922 293.786,342.523 ; 293.575,322.543 293.601,322.569 294.817,322.569 ; 293.575,358.543 293.601,358.569 294.817,358.569 ; v1(293.588,319.501) 293.727,319.363 293.727,317.102 293.969,316.859 v1@293.969,315.546 ; v1(293.588,355.501) 293.727,355.363 293.727,353.102 293.969,352.859 v1@293.969,351.546 ; 293.642,322.288 295.598,322.288 297.417,320.469 297.417,319.175 295.706,317.464 295.706,310.225 295.274,309.793 294.41,309.793 291.703,312.5 ; 293.642,358.288 295.598,358.288 297.417,356.469 297.417,355.175 295.706,353.464 295.706,346.225 295.274,345.793 294.41,345.793 291.703,348.5 ; 293.662,322.436 293.797,322.571 295.733,322.571 296.488,323.325 ; 293.662,358.436 293.797,358.571 295.733,358.571 296.488,359.325 ; v1@293.709,309.258 293.709,306.785 293.919,306.575 293.919,306.562 ; v1@293.709,345.258 293.709,342.785 293.919,342.575 293.919,342.562 ; 293.805,322.419 295.899,322.419 296.78,323.3 ; 293.805,358.419 295.899,358.419 296.78,359.3 ; 294.124,323.788 294.124,323.798 v1@295.01,324.684 ; 294.124,359.788 294.124,359.798 v1@295.01,360.684 ; 294.207,323.506 294.228,323.506 295.187,324.465 v1@295.187,324.871 ; 294.207,359.506 294.228,359.506 295.187,360.465 v1@295.187,360.871 ; 294.218,323.756 294.28,323.756 295.072,324.548 ; 294.218,359.756 294.28,359.756 295.072,360.548 ; 294.336,305.57 294.336,305.907 294.436,305.907 294.436,309.412 291.703,312.145 291.703,312.5 ; 294.336,341.57 294.336,341.907 294.436,341.907 294.436,345.412 291.703,348.145 291.703,348.5 ; 294.343,323.579 294.343,324.142 v1(295.093,324.892) ; 294.343,359.579 294.343,360.142 v1(295.093,360.892) ; v1(294.508,317.447) 294.642,317.312 294.642,315.242 ; v1(294.508,353.447) 294.642,353.312 294.642,351.242 ; v1(294.537,310.606) 295.164,311.232 295.164,320.503 v1(295.782,321.121) ; v1(294.537,346.606) 295.164,347.232 295.164,356.503 v1(295.782,357.121) ; v1(296.341,309.006) 296.341,317.362 298.159,319.181 v1(298.159,321.223) ; v1(296.341,345.006) 296.341,353.362 298.159,355.181 v1(298.159,357.223) ; 296.387,323.222 299.613,326.449 299.613,328.998 ; 296.387,359.222 299.613,362.449 299.613,364.998 ; 296.637,323.137 299.895,326.395 299.895,328.811 ; 296.637,359.137 299.895,362.395 299.895,364.811 ; v1(296.925,305.526) 296.925,315.529 296.833,315.622 296.833,317.056 298.966,319.19 298.966,322.683 ; v1(296.925,341.526) 296.925,351.529 296.833,351.622 296.833,353.056 298.966,355.19 298.966,358.683 ; v1@297.34,316.716 302.065,321.442 v1(302.065,324.983) ; v1@297.34,352.716 302.065,357.442 v1(302.065,360.983) ; v1@297.405,316.605 297.454,316.605 302.118,321.268 v1@302.118,324.959 ; v1@297.405,352.605 297.454,352.605 302.118,357.268 v1@302.118,360.959 ; v1(297.56,323.223) v1@303.324,328.988 ; v1(297.56,359.223) v1@303.324,364.988 ; v1@297.641,321.976 297.641,322.054 298.375,322.787 v1@301.35,322.787 ; v1@297.641,357.976 297.641,358.054 298.375,358.787 v1@301.35,358.787 ; v1(298.5,310.784) 301.218,310.784 v1(302.361,309.641) ; v1(298.5,346.784) 301.218,346.784 v1(302.361,345.641) ; v1@298.881,312.044 297.916,311.079 297.916,302.123 299.844,300.194 ; v1@298.881,348.044 297.916,347.079 297.916,338.123 299.844,336.194 ; v1(298.982,315.61) 298.982,315.238 301.174,313.046 301.175,313.046 305.394,308.828 322.046,308.828 323.451,307.423 323.451,306.488 ; v1(298.982,351.61) 298.982,351.238 301.174,349.046 301.175,349.046 305.394,344.828 322.046,344.828 323.451,343.423 323.451,342.488 ; 299.744,326.344 299.744,328.711 299.845,328.811 ; 299.744,362.344 299.744,364.711 299.845,364.811 ; v1@299.881,324.309 301.311,322.879 v1@301.311,322.807 ; v1@299.881,360.309 301.311,358.879 v1@301.311,358.807 ; v1@300.004,324.451 301.285,323.17 v1@301.285,322.853 ; v1@300.004,360.451 301.285,359.17 v1@301.285,358.853 ; 300.151,323.992 v1(301.322,322.821) ; 300.151,359.992 v1(301.322,358.821) ; 300.566,329.548 307.231,329.548 309.242,331.558 310.26,330.541 v1@310.26,320.711 ; 300.566,365.548 307.231,365.548 309.242,367.558 310.26,366.541 v1@310.26,356.711 ; 300.797,299.644 306.029,304.876 313.153,304.876 317.516,300.513 317.516,300.437 ; 300.797,335.644 306.029,340.876 313.153,340.876 317.516,336.513 317.516,336.437 ; v1(301.675,307.888) 301.675,307.868 303.828,305.715 313.058,305.715 315.156,303.617 321.257,303.617 322.852,305.212 ; v1(301.675,343.888) 301.675,343.868 303.828,341.715 313.058,341.715 315.156,339.617 321.257,339.617 322.852,341.212 ; v1@301.794,313.065 305.35,309.508 v1(305.683,309.508) ; v1@301.794,349.065 305.35,345.508 v1(305.683,345.508) ; v1@302.082,313 305.564,309.519 v1@305.678,309.519 ; v1@302.082,349 305.564,345.519 v1@305.678,345.519 ; v1(304.062,306.828) 305.401,308.167 v1@316.537,308.167 ; v1(304.062,342.828) 305.401,344.167 v1@316.537,344.167 ; v1@305.442,303.445 305.746,303.748 306.842,303.748 306.94,303.651 306.896,303.651 306.69,303.445 v1@305.529,303.445 ; v1@305.442,339.445 305.746,339.748 306.842,339.748 306.94,339.651 306.896,339.651 306.69,339.445 v1@305.529,339.445 ; v1(305.506,303.339) 306.861,303.339 307.467,302.733 ; v1(305.506,339.339) 306.861,339.339 307.467,338.733 ; v1@305.525,303.216 306.737,303.216 307.458,302.496 ; v1@305.525,339.216 306.737,339.216 307.458,338.496 ; v1@305.582,303.225 306.463,303.225 307.458,302.23 307.458,302.069 ; v1@305.582,339.225 306.463,339.225 307.458,338.23 307.458,338.069 ; 305.713,303.607 306.994,303.607 v1@307.016,303.586 ; 305.713,339.607 306.994,339.607 v1@307.016,339.586 ; 305.93,304.682 313.229,304.682 317.566,300.345 ; 305.93,340.682 313.229,340.682 317.566,336.345 ; v1@306.236,322.62 v1@306.238,317.261 ; v1@306.236,358.62 v1@306.238,353.261 ; v1@306.343,317.296 v1@306.343,322.62 ; v1@306.343,353.296 v1@306.343,358.62 ; v1@306.813,303.633 306.851,303.595 306.851,303.168 ; v1@306.813,339.633 306.851,339.595 306.851,339.168 ; v1(307.012,303.652) 307.05,303.614 307.05,303.064 ; v1(307.012,339.652) 307.05,339.614 307.05,339.064 ; v1@307.085,331.624 307.192,331.732 308.071,331.732 308.119,331.683 308.119,331.669 ; v1@307.085,367.624 307.192,367.732 308.071,367.732 308.119,367.683 308.119,367.669 ; v1@307.126,303.652 307.126,303.244 307.486,302.884 307.533,302.884 ; v1@307.126,339.652 307.126,339.244 307.486,338.884 307.533,338.884 ; v1@307.182,331.445 307.234,331.393 308.084,331.393 308.102,331.41 308.102,331.424 ; v1@307.182,367.445 307.234,367.393 308.084,367.393 308.102,367.41 308.102,367.424 ; v1(307.187,331.485) 307.26,331.558 308.142,331.558 ; v1(307.187,367.485) 307.26,367.558 308.142,367.558 ; 307.999,298.001 308.997,299 310.468,299 312.396,300.928 v1@312.396,302.245 ; 307.999,334.001 308.997,335 310.468,335 312.396,336.928 v1@312.396,338.245 ; 308.141,297.905 308.141,297.964 308.221,298.044 ; 308.141,333.905 308.141,333.964 308.221,334.044 ; 308.234,297.756 308.234,297.753 308.333,297.852 308.333,298.252 308.365,298.285 ; 308.234,333.756 308.234,333.753 308.333,333.852 308.333,334.252 308.365,334.285 ; 309.26,297.713 310.11,297.713 313.067,300.67 317.017,300.67 317.479,300.208 ; 309.26,333.713 310.11,333.713 313.067,336.67 317.017,336.67 317.479,336.208 ; 309.739,302.055 309.739,302.283 ; 309.739,338.055 309.739,338.283 ; 309.75,302.11 309.75,301.947 v1@310.727,300.97 ; 309.75,338.11 309.75,337.947 v1@310.727,336.97 ; 309.761,302.045 309.761,301.697 v1@310.608,300.851 ; 309.761,338.045 309.761,337.697 v1@310.608,336.851 ; v1(310.438,331.485) 312.399,329.524 316.683,329.524 316.683,325.135 ; v1(310.438,367.485) 312.399,365.524 316.683,365.524 316.683,361.135 ; v1@310.895,320.508 v1(310.895,329.707) ; v1@310.895,356.508 v1(310.895,365.707) ; v1(311.962,326.354) 312.724,325.592 312.724,320.6 315.979,317.345 v2@317.055,317.345 ; v1(311.962,362.354) 312.724,361.592 312.724,356.6 315.979,353.345 v2@317.055,353.345 ; v1@312.032,326.421 312.86,325.593 312.86,321.416 315.981,318.295 317.382,318.295 ; v1@312.032,362.421 312.86,361.593 312.86,357.416 315.981,354.295 317.382,354.295 ; 312.784,321.161 316.541,317.404 v2@316.86,317.404 ; 312.784,357.161 316.541,353.404 v2@316.86,353.404 ; v1@314.216,324.379 320.649,317.946 v1(320.649,317.032) ; v1@314.216,360.379 320.649,353.946 v1(320.649,353.032) ; 315.035,319.307 315.054,319.287 v2@317.188,319.287 ; 315.035,355.307 315.054,355.287 v2@317.188,355.287 ; 315.083,318.429 315.97,317.542 315.97,317.385 316.475,316.881 316.736,316.881 ; 315.083,354.429 315.97,353.542 315.97,353.385 316.475,352.881 316.736,352.881 ; v1(315.924,300.09) 316.094,300.09 316.526,299.658 ; v1(315.924,336.09) 316.094,336.09 316.526,335.658 ; v1@315.968,324.316 315.956,323.508 324.636,314.568 325.258,313.946 325.585,313.946 ; v1@315.968,360.316 315.956,359.508 324.636,350.568 325.258,349.946 325.585,349.946 ; v1@316.064,309.552 321.262,309.552 325.54,313.83 ; v1@316.064,345.552 321.262,345.552 325.54,349.83 ; 316.579,329.396 316.612,329.363 316.612,324.052 320.049,320.615 v1@320.049,320.513 ; 316.579,365.396 316.612,365.363 316.612,360.052 320.049,356.615 v1@320.049,356.513 ; 316.625,325.719 316.683,325.661 316.683,323.973 317.488,323.168 ; 316.625,361.719 316.683,361.661 316.683,359.973 317.488,359.168 ; 316.693,329.281 316.693,324.147 325.648,315.192 325.648,315.179 ; 316.693,365.281 316.693,360.147 325.648,351.192 325.648,351.179 ; v2(317.031,317.671) 317.031,319.127 v2(317.35,319.446) 318.168,318.628 v2(318.168,318.323) ; v2(317.031,353.671) 317.031,355.127 v2(317.35,355.446) 318.168,354.628 v2(318.168,354.323) ; 317.138,323.511 323.056,323.511 ; 317.138,359.511 323.056,359.511 ; v1@317.583,327.852 317.583,328.952 ; v1@317.583,363.852 317.583,364.952 ; v1(320.079,320.552) 325.585,315.046 ; v1(320.079,356.552) 325.585,351.046 ; v2@320.585,305.73 320.585,305.704 320.953,305.336 321.805,305.336 322.128,305.659 322.128,307.874 321.787,308.215 ; v2@320.585,341.73 320.585,341.704 320.953,341.336 321.805,341.336 322.128,341.659 322.128,343.874 321.787,344.215 ; 320.862,303.593 322.769,305.5 ; 320.862,339.593 322.769,341.5 ; 321.957,305.551 321.957,307.955 ; 321.957,341.551 321.957,343.955 ; 323.606,322.558 323.606,322.051 ; 323.606,358.558 323.606,358.051 ; v1@323.773,321.883 323.606,322.051 ; v1@323.773,357.883 323.606,358.051 ; 323.78,321.428 323.78,321.891 323.606,322.051 ; 323.78,357.428 323.78,357.891 323.606,358.051
  Top Layer w0.254: 271.593,302.685 ccw(c271.975,303.067) 271.975,302.526 ; 271.593,338.685 ccw(c271.975,339.067) 271.975,338.526 ; 273.705,302.469 cw(c273.705,301.995) 274.179,301.995 274.179,301.36 ccw(c274.634,301.36) v1(274.634,300.905) ; 273.705,338.469 cw(c273.705,337.995) 274.179,337.995 274.179,337.36 ccw(c274.634,337.36) v1(274.634,336.905) ; 274.054,301.752 274.054,302.077 274.098,302.121 ; 274.054,337.752 274.054,338.077 274.098,338.121 ; 307.593,302.685 ccw(c307.975,303.067) 307.975,302.526 ; 307.593,338.685 ccw(c307.975,339.067) 307.975,338.526 ; 309.705,302.469 cw(c309.705,301.995) 310.179,301.995 310.179,301.36 ccw(c310.634,301.36) v1(310.634,300.905) ; 309.705,338.469 cw(c309.705,337.995) 310.179,337.995 310.179,337.36 ccw(c310.634,337.36) v1(310.634,336.905) ; 310.054,301.752 310.054,302.077 310.098,302.121 ; 310.054,337.752 310.054,338.077 310.098,338.121
  Top Layer w0.3: 287.667,322.144 287.902,321.909 v1@287.902,321.902 ; 287.667,358.144 287.902,357.909 v1@287.902,357.902 ; 287.706,322.458 287.761,322.458 287.996,322.223 v1@287.996,321.839 ; 287.706,358.458 287.761,358.458 287.996,358.223 v1@287.996,357.839 ; 287.714,322.379 287.996,322.097 ; 287.714,358.379 287.996,358.097 ; 323.667,322.144 323.902,321.909 v1@323.902,321.902 ; 323.667,358.144 323.902,357.909 v1@323.902,357.902 ; 323.706,322.458 323.761,322.458 323.996,322.223 v1@323.996,321.839 ; 323.706,358.458 323.761,358.458 323.996,358.223 v1@323.996,357.839 ; 323.714,322.379 323.996,322.097 ; 323.714,358.379 323.996,358.097
  Top Layer w0.5: 276.886,320.728 280.427,317.187 v2@280.758,317.187 ; 276.886,356.728 280.427,353.187 v2@280.758,353.187 ; 276.94,321.556 280.131,318.365 281.034,318.365 ; 276.94,357.556 280.131,354.365 281.034,354.365 ; 312.886,320.728 316.427,317.187 v2@316.758,317.187 ; 312.886,356.728 316.427,353.187 v2@316.758,353.187 ; 312.94,321.556 316.131,318.365 317.034,318.365 ; 312.94,357.556 316.131,354.365 317.034,354.365